# Altium PCB CADDX_passthrough.PcbDoc
Units mil, origin at the board's own origin, x right, y up, seen from the top; angles counter-clockwise.
Board outline 1600 x 1700 mil, 2 copper layers (Top Layer, Bottom Layer), stack 61.811 mil thick; 100 components, 88 nets, 312 pads, 199 vias.
Unrouted connection lines stored in the file: 2.
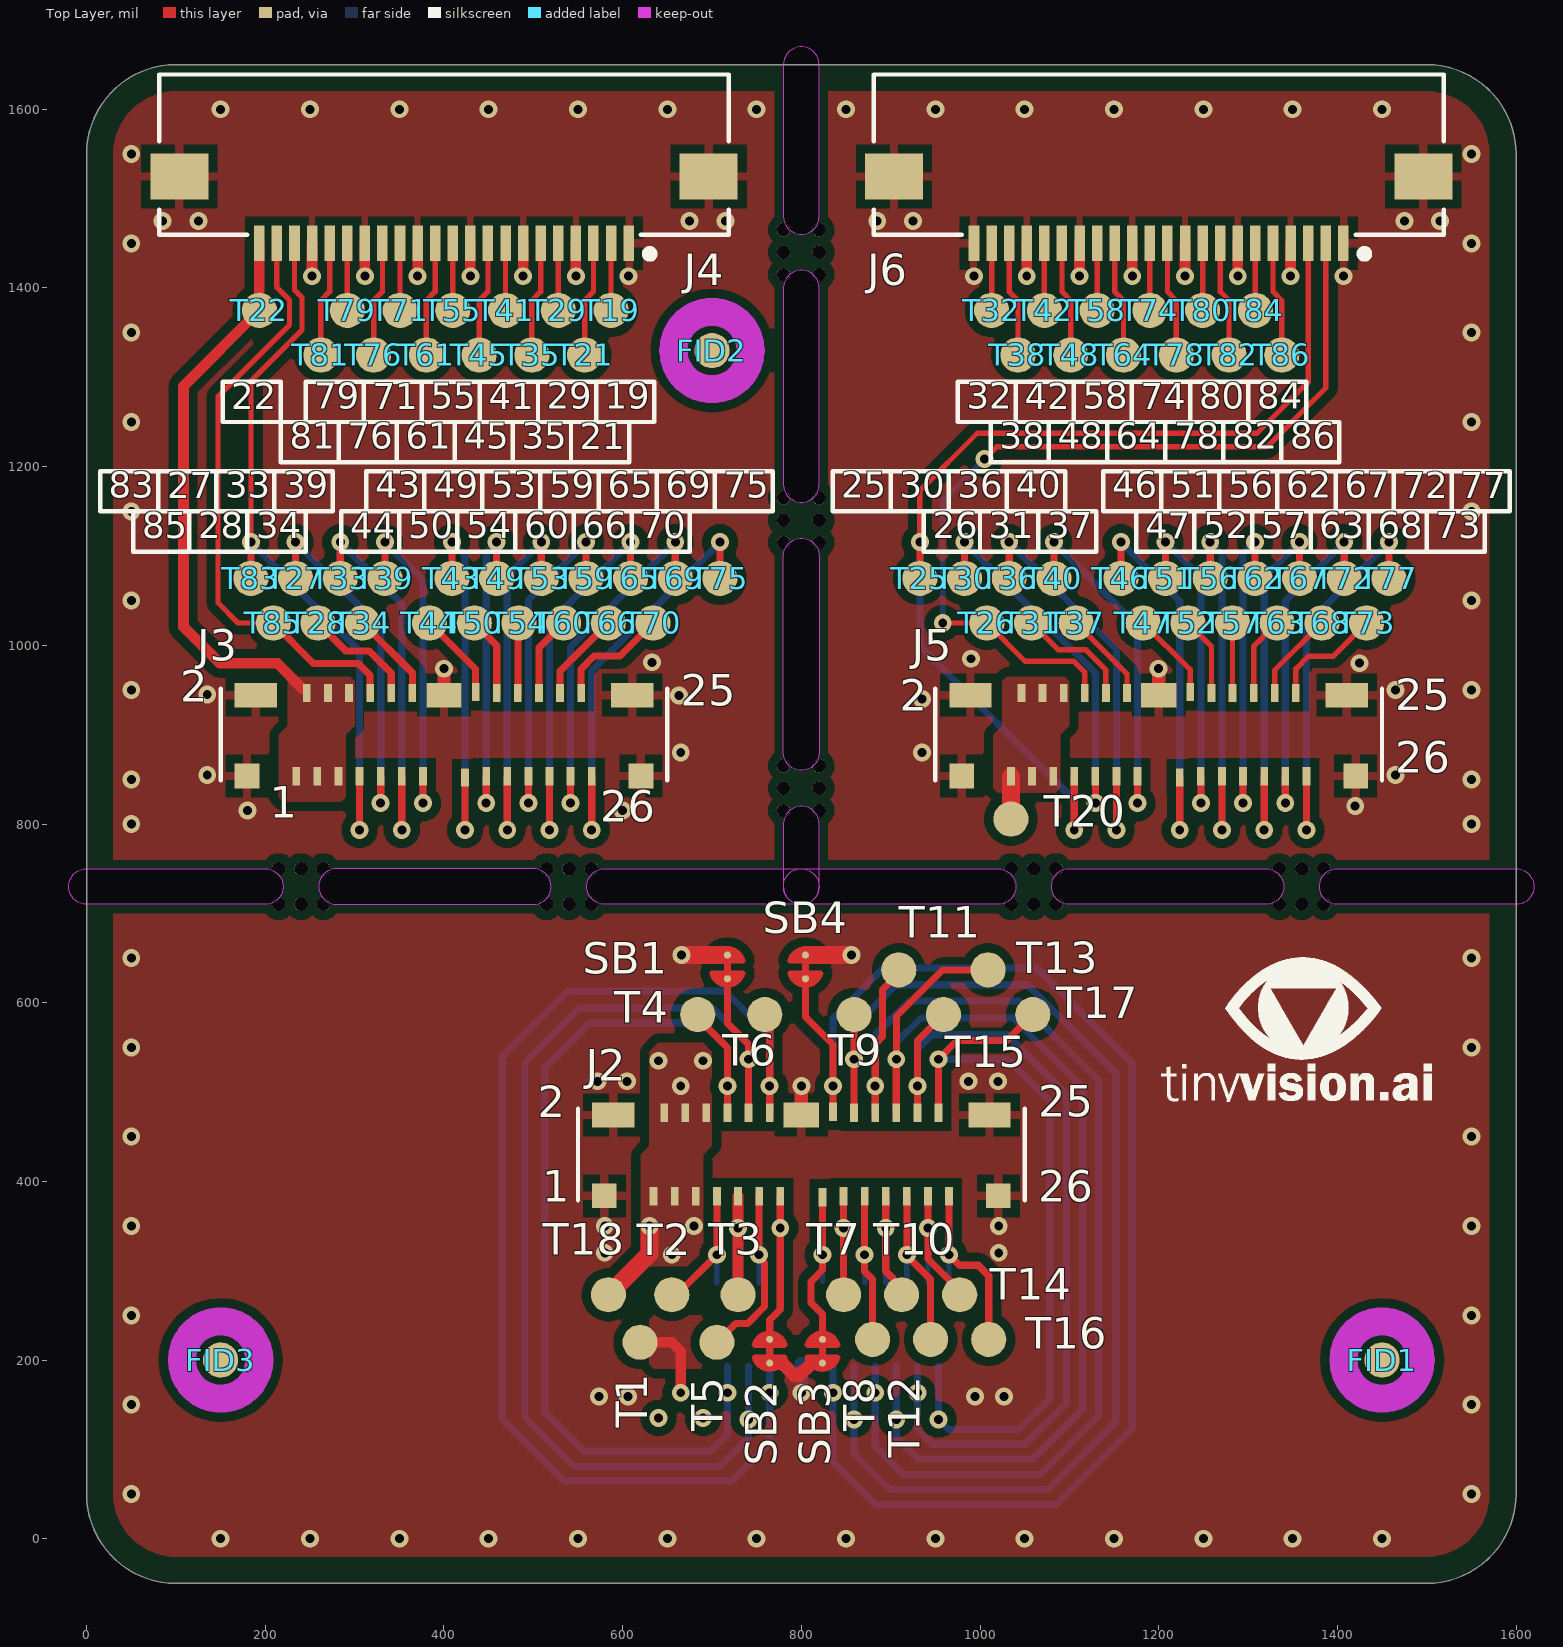
[diagram p0: Top Layer view]
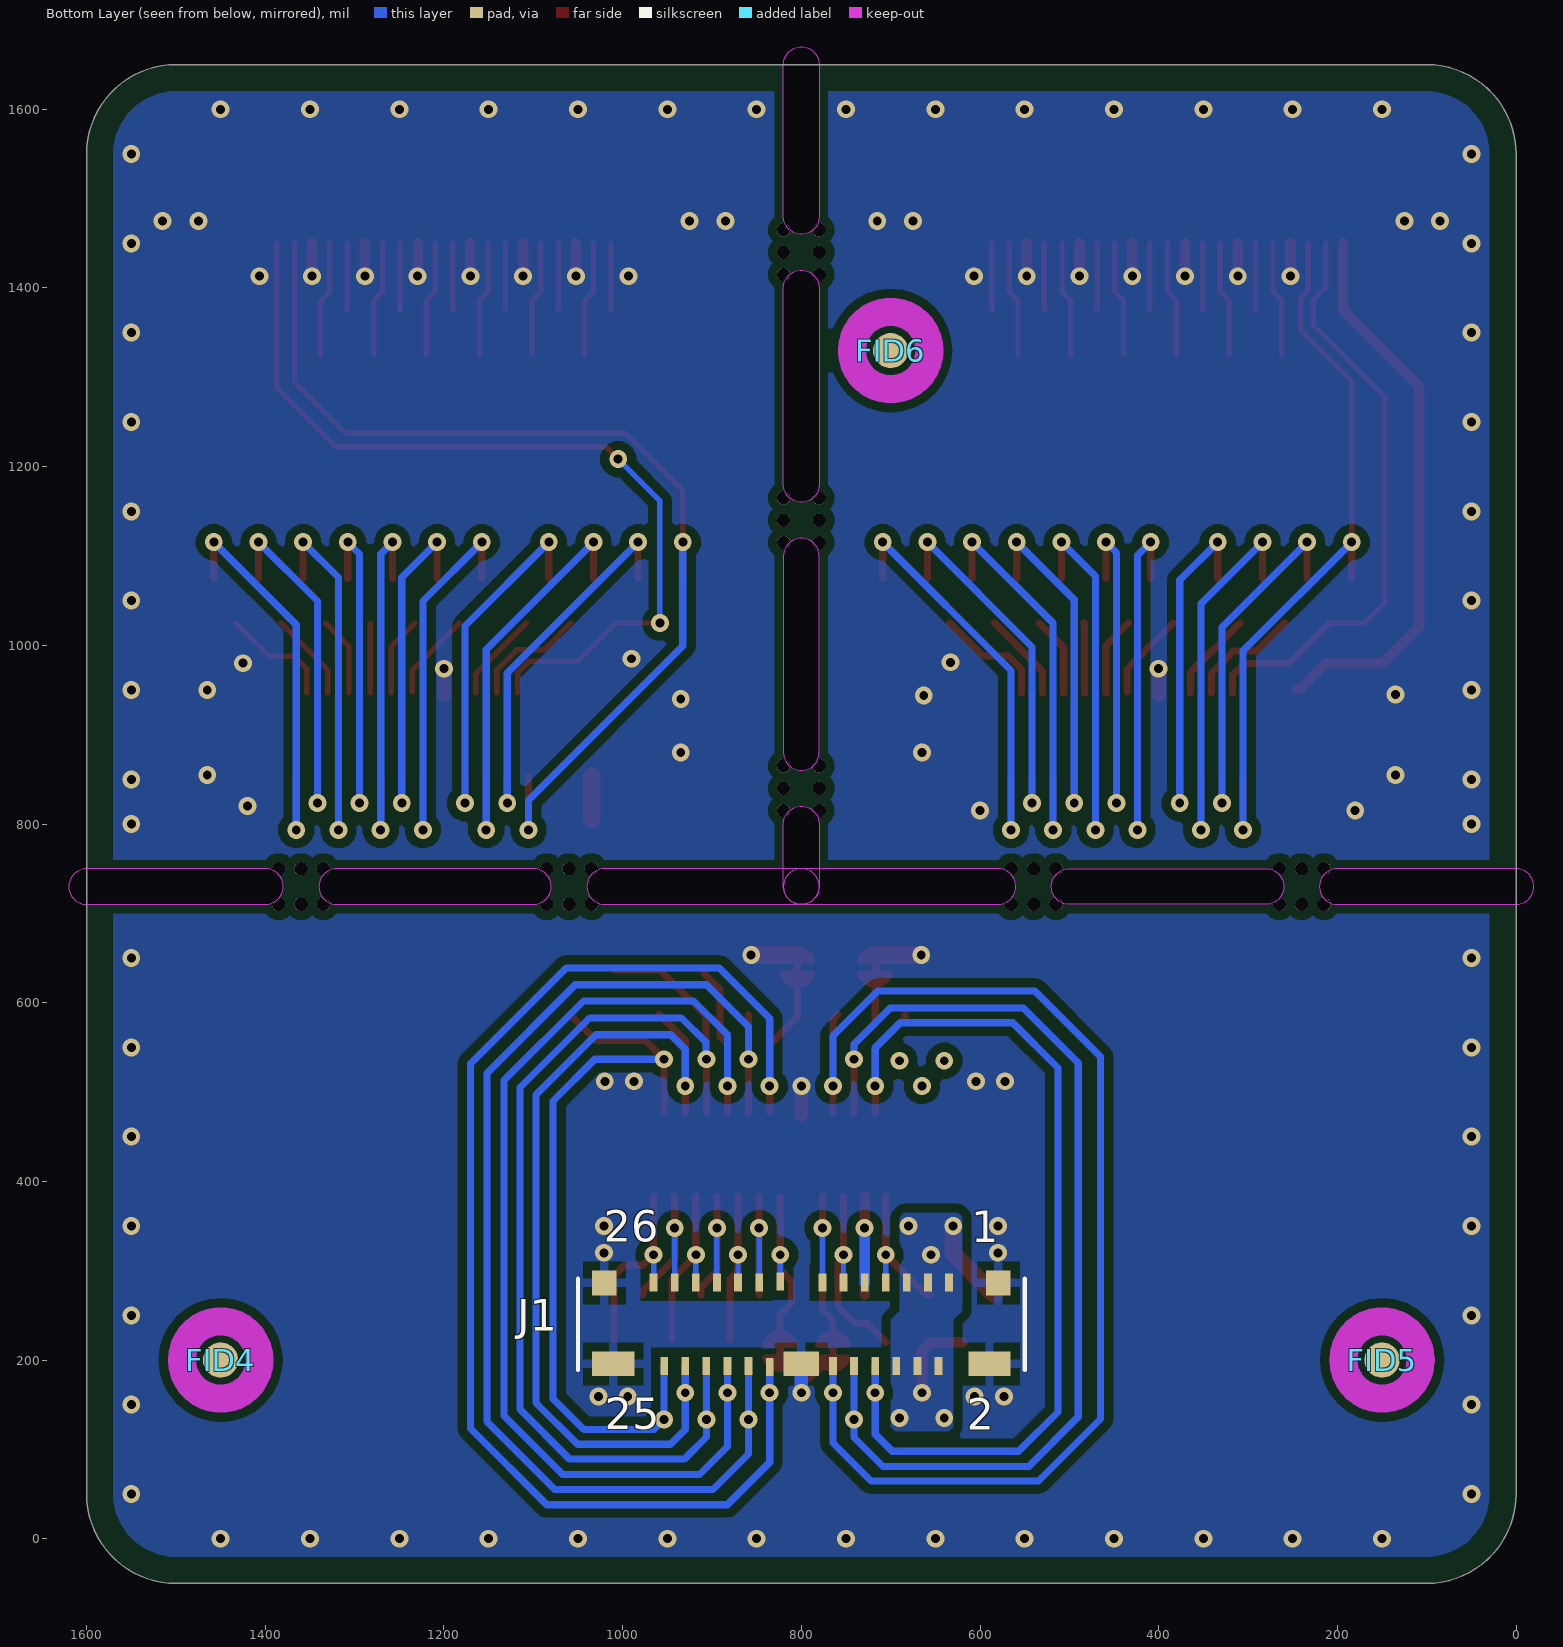
[diagram p1: Bottom Layer view, seen from below]
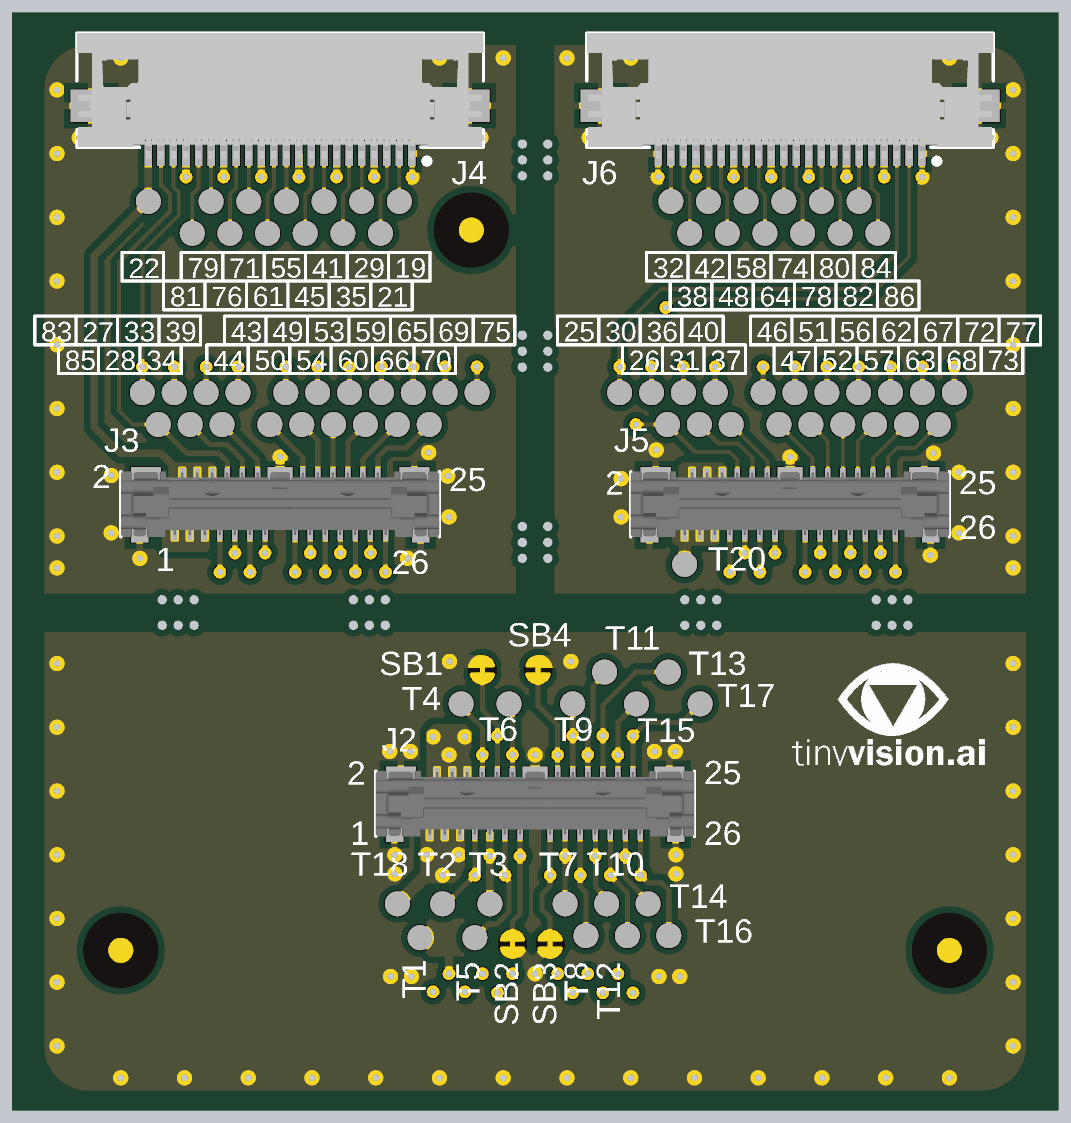
[diagram p2: 3D render of the assembled board from above, using the file's embedded part models]

## Layer stack, top to bottom
Top Solder: solder mask 0.5, Solder Resist, Dk 3.5
Top Layer: signal copper 1.378
Dielectric 1: core 59.0551, Core-009, Dk 4
Bottom Layer: signal copper 1.378
Bottom Solder: solder mask 0.5, Solder Resist, Dk 3.5

## Board outline
0,50 ccw(c100,50) 100,-50 1500,-50 ccw(c1500,50) 1600,50 1600,1550 ccw(c1500,1550) 1500,1650 100,1650 ccw(c100,1550) 0,1550
cut-out: 779.98,1480 ccw(c800,1480) 820.02,1480 820.02,1650 ccw(c800,1650) 779.98,1650
cut-out: 779.98,1180 ccw(c800,1180) 820.02,1180 820.02,1400 ccw(c800,1400) 779.98,1400
cut-out: 1400,709.99 cw(c1400,730) 1400,750.02 1600,750.02 cw(c1600,730) 1620.01,730 cw(c1600,730) 1600,709.99
cut-out: 0,709.99 cw(c0,730) 0,750.02 200,750.02 cw(c200,730) 220.02,730 cw(c200,730) 200,709.99
cut-out: 779.98,730 ccw(c800,730) 820.02,730 820.02,800 ccw(c800,800) 779.98,800
cut-out: 580,709.99 cw(c580,730) 580,750.02 800,750.02 cw(c800,730) 820.02,730 cw(c800,730) 800,709.99
cut-out: 800,709.99 cw(c800,730) 800,750.02 1020,750.02 cw(c1020,730) 1040.02,730 cw(c1020,730) 1020,709.99
cut-out: 1100,709.99 cw(c1100,730) 1100,750.02 1320,750.02 cw(c1320,730) 1340.01,730 cw(c1320,730) 1320,709.99
cut-out: 280,709.99 500,709.99 ccw(c500,730) 520.02,730 ccw(c500,730) 500,750.02 280,750.02 ccw(c280,730)
cut-out: 779.98,880 779.98,1100 cw(c800,1100) 820.02,1100 820.02,880 cw(c800,880)

## Design rules (kind name [scope] priority, off if disabled: settings)
Clearance [All] p1: gap=6 ignorepadtopadclearanceinfootprint=TRUE except(10: Arc-Fill Arc-Poly Arc-Region Track-Fill Track-Poly Track-Region SMDPad-Fill SMDPad-Poly SMDPad-Region THPad-Fill THPad-Poly THPad-Region Via-Fill Via-Poly Via-Region Fill-Fill Fill-Poly Fill-Region Poly-Poly Poly-Region Region-Region)
ComponentClearance [All] p1: gap=6 collisioncheckmode=3 verticalgap=10 showdistances=FALSE
DiffPairsRouting DiffPairsRouting_85_BGA [InDifferentialPairClass('DIFF_85OHM')  OR WithinRoom('Room_BGA')] p1: maxlimit=7 minlimit=7 mostfreqgap=7 toplayer_minwidth=5 toplayer_maxwidth=6.54 toplayer_prefwidth=6.54 bottomlayer_minwidth=5 bottomlayer_maxwidth=6.54 bottomlayer_prefwidth=6.54 maxuncoupledlength=500
DiffPairsRouting DiffPairsRouting_85_Ohms_1 [InDifferentialPairClass('DIFF_85OHM')] p2: maxlimit=7 minlimit=7 mostfreqgap=7 toplayer_minwidth=6.54 toplayer_maxwidth=6.54 toplayer_prefwidth=6.54 bottomlayer_minwidth=6.54 bottomlayer_maxwidth=6.54 bottomlayer_prefwidth=6.54 maxuncoupledlength=500
FanoutControl Fanout_SOIC [IsSOIC] p3: bgadir=Out bgaviamode=Centered fanoutstyle=Auto fanoutdirection=OutOnly viagrid=1 // Fanout_SOIC (Default Rule)
FanoutControl Fanout_Default [All] p5: bgadir=Out bgaviamode=Centered fanoutstyle=Auto fanoutdirection=OutOnly viagrid=1 // Fanout_Default (Default Rule)
HoleSize [All] p1: absolutevalues=TRUE maxlimit=120 minlimit=1 maxpercent=80.000 minpercent=20.000
HoleToHoleClearance [All] p1: gap=8 allowstackedmicrovias=TRUE
MinimumSolderMaskSliver [All] p1: minsoldermaskwidth=1.9
PolygonConnect PolygonConnect_3V3 [InNetClass('PWR')] p1: connectstyle=Direct reliefconductorwidth=10 reliefentries=4 polygonreliefangle="90 Angle" airgapwidth=10
PolygonConnect [All] p2: thpad.connectstyle=Relief thpad.reliefconductorwidth=10 thpad.reliefentries=4 thpad.polygonreliefangle="90 Angle" thpad.airgapwidth=10 smdpad.connectstyle=Relief smdpad.reliefconductorwidth=10 smdpad.reliefentries=4 smdpad.polygonreliefangle="90 Angle" smdpad.airgapwidth=10 via.connectstyle=Direct via.reliefconductorwidth=10 via.reliefentries=4 via.polygonreliefangle="90 Angle" via.airgapwidth=10
RoomDefinition CADDX [InComponentClass('CADDX')] p1: confinementstyle=ConfineIn formatcopy=TRUE lockcomponents=FALSE outline 883.79,1006 1260.31,1006 1260.31,640 883.79,640
RoutingVias [All] p1: holewidth=10 width=20 viastyle="Through Hole" minholewidth=10 minwidth=20 maxholewidth=20 maxwidth=40
ShortCircuit [isnet] p1: allowed=FALSE
SilkToSilkClearance [All] p1: silktosilkclearance=1
SilkToSolderMaskClearance [IsPad] p1: minsilkscreentomaskgap=0.1 clearancetoexposedcopper=FALSE
SolderMaskExpansion SolderMaskExpansion_via [isvia] p1: expansion=-6 istentingtop=FALSE soldermaskfromhole=TRUE
SolderMaskExpansion SolderMaskExpansion_all [All] p2: expansion=2 istentingtop=FALSE
Width [All] p1: maxlimit=40 minlimit=6 preferedwidth=6
20 further rules are at their usual default settings.

## Classes and differential pairs
net class PWR: P3V3D P3V3D_1 P3V3D_2
differential pair class DIFF_85OHM: RVP_IR_CLK RVP_IR_D0 RVP_IR_D1 RVP_UF_CLK RVP_UF_D0 RVP_UF_D1 RVP_WF_CLK RVP_WF_D0 RVP_WF_D1 RVP_WF_D2 RVP_WF_D3
differential pair MIPI_TXD1: +MIPI_TXD1_P -MIPI_TXD1_N
differential pair MIPI_TXD0: +MIPI_TXD0_P -MIPI_TXD0_N
differential pair MIPI_TXCLK: +MIPI_TXCLK_P -MIPI_TXCLK_N
differential pair MIPI_RXD1: +MIPI_RXD1_P -MIPI_RXD1_N
differential pair MIPI_RXD0: +MIPI_RXD0_P -MIPI_RXD0_N
differential pair MIPI_RXCLK: +MIPI_RXCLK_P -MIPI_RXCLK_N

## Components (designator, comment, footprint, x,y, rotation, side; value= is the part's Value field where it differs from the comment)
FID1 "FID" FID_040 1450,200 r0 top
FID2 "FID" FID_040 700,1330 r90 top
FID3 "FID" FID_040 150,200 r90 top
FID4 "FID" FID_040 1450,200 r90 bottom
FID5 "FID" FID_040 150,200 r90 bottom
FID6 "FID" FID_040 700,1330 r90 bottom
J1 "DF56C-26S-0.3V(51)" HRS_DF56C-26S-0.3V(51) 800,240 r0 bottom
J2 "DF56C-26S-0.3V(51)" HRS_DF56C-26S-0.3V(51) 800,430 r0 top
J3 "DF56C-26S-0.3V(51)" HRS_DF56C-26S-0.3V(51) 400,900 r0 top
J4 "0545482271" MOLEX_54548-2271 400,1450 r180 top
J5 "DF56C-26S-0.3V(51)" HRS_DF56C-26S-0.3V(51) 1200,900 r0 top
J6 "0545482271" MOLEX_54548-2271 1200,1450 r180 top
SB1 "Solderbridge" Solderbridge_Shorted 717.32,640 r270 top net-tie
SB2 "Solderbridge" Solderbridge_Shorted 764.57,209.84 r270 top net-tie
SB3 "Solderbridge" Solderbridge_Shorted 823.62,209.84 r270 top net-tie
SB4 "Solderbridge" Solderbridge_Shorted 804.57,640 r270 top net-tie
T1 "" "TP 1mm" 619.53,219.84 r0 top
T2 "" "TP 1mm" 655,273.06 r90 top
T3 "" "TP 1mm" 729.13,273.06 r90 top
T4 "" "TP 1mm" 684.06,586.65 r0 top
T5 "" "TP 1mm" 705.51,219.84 r90 top
T6 "" "TP 1mm" 759.06,586.65 r0 top
T7 "" "TP 1mm" 847.24,273.06 r90 top
T8 "" "TP 1mm" 879.74,223.14 r90 top
T9 "" "TP 1mm" 859.06,586.65 r0 top
T10 "" "TP 1mm" 912.24,273.06 r180 top
T11 "" "TP 1mm" 909.06,636.65 r90 top
T12 "" "TP 1mm" 944.74,223.14 r180 top
T13 "" "TP 1mm" 1009.06,636.65 r90 top
T14 "" "TP 1mm" 977.24,273.06 r180 top
T15 "" "TP 1mm" 959.06,586.65 r90 top
T16 "" "TP 1mm" 1009.74,223.14 r180 top
T17 "" "TP 1mm" 1059.06,586.65 r90 top
T18 "" "TP 1mm" 584.06,273.06 r180 top
T19 "" "TP 1mm" 587.01,1375 r90 top
T20 "" "TP 1mm" 1034.65,805.53 r90 top
T21 "" "TP 1mm" 557.48,1325 r90 top
T22 "" "TP 1mm" 193.31,1375 r90 top
T25 "" "TP 1mm" 932.68,1075 r90 top
T26 "" "TP 1mm" 1007.68,1025 r90 top
T27 "" "TP 1mm" 233.92,1075 r90 top
T28 "" "TP 1mm" 258.92,1025 r90 top
T29 "" "TP 1mm" 527.95,1375 r90 top
T30 "" "TP 1mm" 982.68,1075 r90 top
T31 "" "TP 1mm" 1057.68,1025 r90 top
T32 "" "TP 1mm" 1012.99,1375 r90 top
T33 "" "TP 1mm" 283.92,1075 r90 top
T34 "" "TP 1mm" 308.92,1025 r90 top
T35 "" "TP 1mm" 498.43,1325 r90 top
T36 "" "TP 1mm" 1032.68,1075 r90 top
T37 "" "TP 1mm" 1107.68,1025 r90 top
T38 "" "TP 1mm" 1042.52,1325 r90 top
T39 "" "TP 1mm" 333.92,1075 r90 top
T40 "" "TP 1mm" 1082.68,1075 r90 top
T41 "" "TP 1mm" 468.9,1375 r90 top
T42 "" "TP 1mm" 1072.05,1375 r90 top
T43 "" "TP 1mm" 408.92,1075 r90 top
T44 "" "TP 1mm" 383.92,1025 r90 top
T45 "" "TP 1mm" 439.37,1325 r90 top
T46 "" "TP 1mm" 1157.68,1075 r90 top
T47 "" "TP 1mm" 1182.68,1025 r90 top
T48 "" "TP 1mm" 1101.57,1325 r90 top
T49 "" "TP 1mm" 458.92,1075 r90 top
T50 "" "TP 1mm" 433.92,1025 r90 top
T51 "" "TP 1mm" 1207.68,1075 r90 top
T52 "" "TP 1mm" 1232.68,1025 r90 top
T53 "" "TP 1mm" 508.92,1075 r90 top
T54 "" "TP 1mm" 483.92,1025 r90 top
T55 "" "TP 1mm" 409.84,1375 r90 top
T56 "" "TP 1mm" 1257.68,1075 r90 top
T57 "" "TP 1mm" 1282.68,1025 r90 top
T58 "" "TP 1mm" 1131.1,1375 r90 top
T59 "" "TP 1mm" 558.92,1075 r90 top
T60 "" "TP 1mm" 533.92,1025 r90 top
T61 "" "TP 1mm" 380.31,1325 r90 top
T62 "" "TP 1mm" 1307.68,1075 r90 top
T63 "" "TP 1mm" 1332.68,1025 r90 top
T64 "" "TP 1mm" 1160.63,1325 r90 top
T65 "" "TP 1mm" 608.92,1075 r90 top
T66 "" "TP 1mm" 583.92,1025 r90 top
T67 "" "TP 1mm" 1357.68,1075 r90 top
T68 "" "TP 1mm" 1382.68,1025 r90 top
T69 "" "TP 1mm" 658.92,1075 r90 top
T70 "" "TP 1mm" 633.92,1025 r90 top
T71 "" "TP 1mm" 350.79,1375 r90 top
T72 "" "TP 1mm" 1407.68,1075 r90 top
T73 "" "TP 1mm" 1432.68,1025 r90 top
T74 "" "TP 1mm" 1190.16,1375 r90 top
T75 "" "TP 1mm" 708.92,1075 r90 top
T76 "" "TP 1mm" 321.26,1325 r90 top
T77 "" "TP 1mm" 1457.68,1075 r90 top
T78 "" "TP 1mm" 1219.68,1325 r90 top
T79 "" "TP 1mm" 291.73,1375 r90 top
T80 "" "TP 1mm" 1249.21,1375 r90 top
T81 "" "TP 1mm" 262.2,1325 r90 top
T82 "" "TP 1mm" 1278.74,1325 r90 top
T83 "" "TP 1mm" 183.92,1075 r90 top
T84 "" "TP 1mm" 1308.27,1375 r90 top
T85 "" "TP 1mm" 208.92,1025 r90 top
T86 "" "TP 1mm" 1337.8,1325 r90 top

## Footprints (in the part's own frame and the unit in brackets; to place one, negate y for a bottom-side part, rotate by r counter-clockwise, add the part's x,y. Pads: shape width x height; smd on the part's side, far side on the other; paste and mask are expansions set on the pad)
FID_040 [mm]
  round 1 smd paste-1.5 mask+1: 1(0,0)
  Top Layer keep-out circle w0.8: c0,0 r1.1
HRS_DF56C-26S-0.3V(51) [mm]
  rect 0.22x0.52 smd mask+0.051: 1(-4.2,-1.185) 2(-3.9,1.185) 3(-3.6,-1.185) 4(-3.3,1.185) 5(-3,-1.185) 6(-2.7,1.185) 7(-2.4,-1.185) 8(-2.1,1.185) 9(-1.8,-1.185) 10(-1.5,1.185) 11(-1.2,-1.185) 12(-0.9,1.185) 13(-0.6,-1.185) 14(0.6,-1.215) 15(0.9,1.215) 16(1.2,-1.185) 17(1.5,1.185) 18(1.8,-1.185) 19(2.1,1.185) 20(2.4,-1.185) 21(2.7,1.185) 22(3,-1.185) 23(3.3,1.185) 24(3.6,-1.185) 25(3.9,1.185) 26(4.2,-1.185)
  rect 1.2x0.7 smd mask+0.051: P1(-5.35,1.125) P3(5.35,1.125)
  rect 1x0.7 smd mask+0.051: P2(0,1.125)
  rect 0.7x0.7 smd mask+0.051: P4(-5.6,-1.175) P5(5.6,-1.175)
  silkscreen extent -6.35,-1.3 6.35,1.3, body extent -6.35,-1.3 6.35,1.3, height 1.49
MOLEX_54548-2271 [mm]
  rect 0.3x1 smd mask+0.05: 1(-5.25,0) 2(-4.75,0) 3(-4.25,0) 4(-3.75,0) 5(-3.25,0) 6(-2.75,0) 7(-2.25,0) 8(-1.75,0) 9(-1.25,0) 10(-0.75,0) 11(-0.25,0) 12(0.25,0) 13(0.75,0) 14(1.25,0) 15(1.75,0) 16(2.25,0) 17(2.75,0) 18(3.25,0) 19(3.75,0) 20(4.25,0) 21(4.75,0) 22(5.25,0)
  rect 1.65x1.3 smd: SH1(-7.525,-1.9) SH2(7.525,-1.9)
  silkscreen extent -8.1,-4.8 8.1,0.37, body extent -8.1,-4.8 8.1,0.2, height 1.18
Solderbridge_Shorted [mm]
  round 0.2 smd paste-10: 1(-0.338,0) 2(0.338,0)
  Top Layer region: -0.102,-0.432 -0.178,-0.505 -0.296,-0.467 -0.361,-0.424 -0.434,-0.351 -0.488,-0.292 -0.546,-0.193 -0.574,-0.099 -0.569,0.122 -0.544,0.193 -0.46,0.33 -0.376,0.411 -0.284,0.469 -0.183,0.5 -0.132,0.483 -0.102,0.43
  Top Layer region: 0.102,0.432 0.178,0.505 0.296,0.467 0.361,0.424 0.434,0.351 0.488,0.292 0.546,0.193 0.574,0.099 0.569,-0.122 0.544,-0.193 0.46,-0.33 0.376,-0.411 0.284,-0.469 0.183,-0.5 0.132,-0.483 0.102,-0.43
  Top Layer lines w0.152: 0.178,-0.431 ccw(c0.068,0) 0.178,0.431 ; -0.178,-0.431 cw(c-0.068,0) -0.178,0.431
  Top Layer lines w0.203: 0.338,0 -0.338,0
"TP 1mm" [mm] "1 mm Probe Pad"
  round 1 smd: 1(0,0)

## Part data
J1 J2 J3 J5: "0.3mm Pitch, Vertical Mating, Board-to-Fine Coaxial Cable, -35 ℃ to 85 ℃, RoHS", Flammability Rating="UL94 V-0", Insulation Color=Black, Manufacturer=Hirose, Max Operating Temperature=85°C, Min Operating Temperature=-35°C, Package Quantity=5000, Supplier part number=26-DF56C-26S-0.3V(51)DKR-ND, Voltage Rating (AC)=30V, Category="Headers and Wire Housings", ComponentLink1Description=http://www.mouser.com/ds/2/185/DF56_catalog-939255.pdf?src-supplier=Mouser, ComponentLink1URL=http://www.mouser.com/ds/2/185/DF56_catalog-939255.pdf?src-supplier=Mouser, ComponentLink2Description=https://www.hirose.com/product/document?clcode=CL0662-5607-0-51&amp;productname=DF56-50P-0.3SD(51)&amp;series=DF56&amp;documenttype=Catalog&amp;lang=en&amp;documentid=D49344_en&src-supplier=Digi-Key, ComponentLink2URL=https://www.hirose.com/product/document?clcode=CL0662-5607-0-51&amp;productname=DF56-50P-0.3SD(51)&amp;series=DF56&amp;documenttype=Catalog&amp;lang=en&amp;documentid=D49344_en&src-supplier=Digi-Key, Connector Type=Receptacle, Contact Finish - Mating=GOLD, Contact Material=Bronze, Contact Type=Non-Gendered, Fastening Type=Friction, Insulation Material=Polymer, Manufacturer Part Number=DF56C-26S-0.3V(51), Mounting Technology="Surface Mount", Number of Positions=26, Number of Rows=1, Packaging="Tape and Reel", Pricing="1=1.42000, 10=1.23400, 25=1.18160, 50=1.15540, 100=1.10290, 250=0.99788, 500=0.91910, 1000=0.78780, 2500=0.73528 (USD)", RoHS=Yes, RoHS Compliant=Yes, Series=DF56, Supplier=Digi-Key, Termination=Solder
J4 J6: library part 54548-2271, "CONN FFC BOTTOM 22POS 0.50MM R/A", Manufacturer=Molex, Package=None, Supplier part number=WM8828CT-ND, Manufacturer Part Number=0545482271, Supplier=Digi-Key
SB1 SB2 SB3 SB4: library part "Solderbridge Shorted", "Shorted Solderbridge", Artikkelnr Noca=N.A., Artikkelnr Simpro=N.A., Footprint Doc=Solderbridge_Shorted, LatestRevisionDate=2012-08-07, Part Number="Solderbridge Shorted", Pin Count=2, Published=2012-08-07, Publisher="Nordic Semiconductor"
T1 T2 T3 T4 T5 T6 T7 T8 T9 T10 T11 T12 T13 T14 T15 T16 T17 T18 T19 T20 T21 T22 T25 T26 T27 T28 T29 T30 T31 T32 T33 T34 T35 T36 T37 T38 T39 T40 T41 T42 T43 T44 T45 T46 T47 T48 T49 T50 T51 T52 T53 T54 T55 T56 T57 T58 T59 T60 T61 T62 T63 T64 T65 T66 T67 T68 T69 T70 T71 T72 T73 T74 T75 T76 T77 T78 T79 T80 T81 T82 T83 T84 T85 T86: library part TP_S, "test point"
FID1 FID2 FID3 FID4 FID5 FID6: Notes=DNP

## Free pads (board coordinates)
  round 15 hole 15 unplated mask+0: 2(215,710) 2(215,750) 2(240,710) 2(240,750) 2(265,710) 2(265,750) 2(515,710) 2(515,750) 2(540,710) 2(540,750) 2(565,710) 2(565,750) 2(780,815) 2(780,840) 2(780,865) 2(780,1115) 2(780,1140) 2(780,1165) 2(780,1415) 2(780,1440) 2(780,1465) 2(820,815) 2(820,840) 2(820,865) 2(820,1115) 2(820,1140) 2(820,1165) 2(820,1415) 2(820,1440) 2(820,1465) 2(1035,710) 2(1035,750) 2(1060,710) 2(1060,750) 2(1085,710) 2(1085,750) 2(1335,710) 2(1335,750) 2(1360,710) 2(1360,750) 2(1385,710) 2(1385,750)